# KiCad board APA102_Matrix.kicad_pcb (continued)
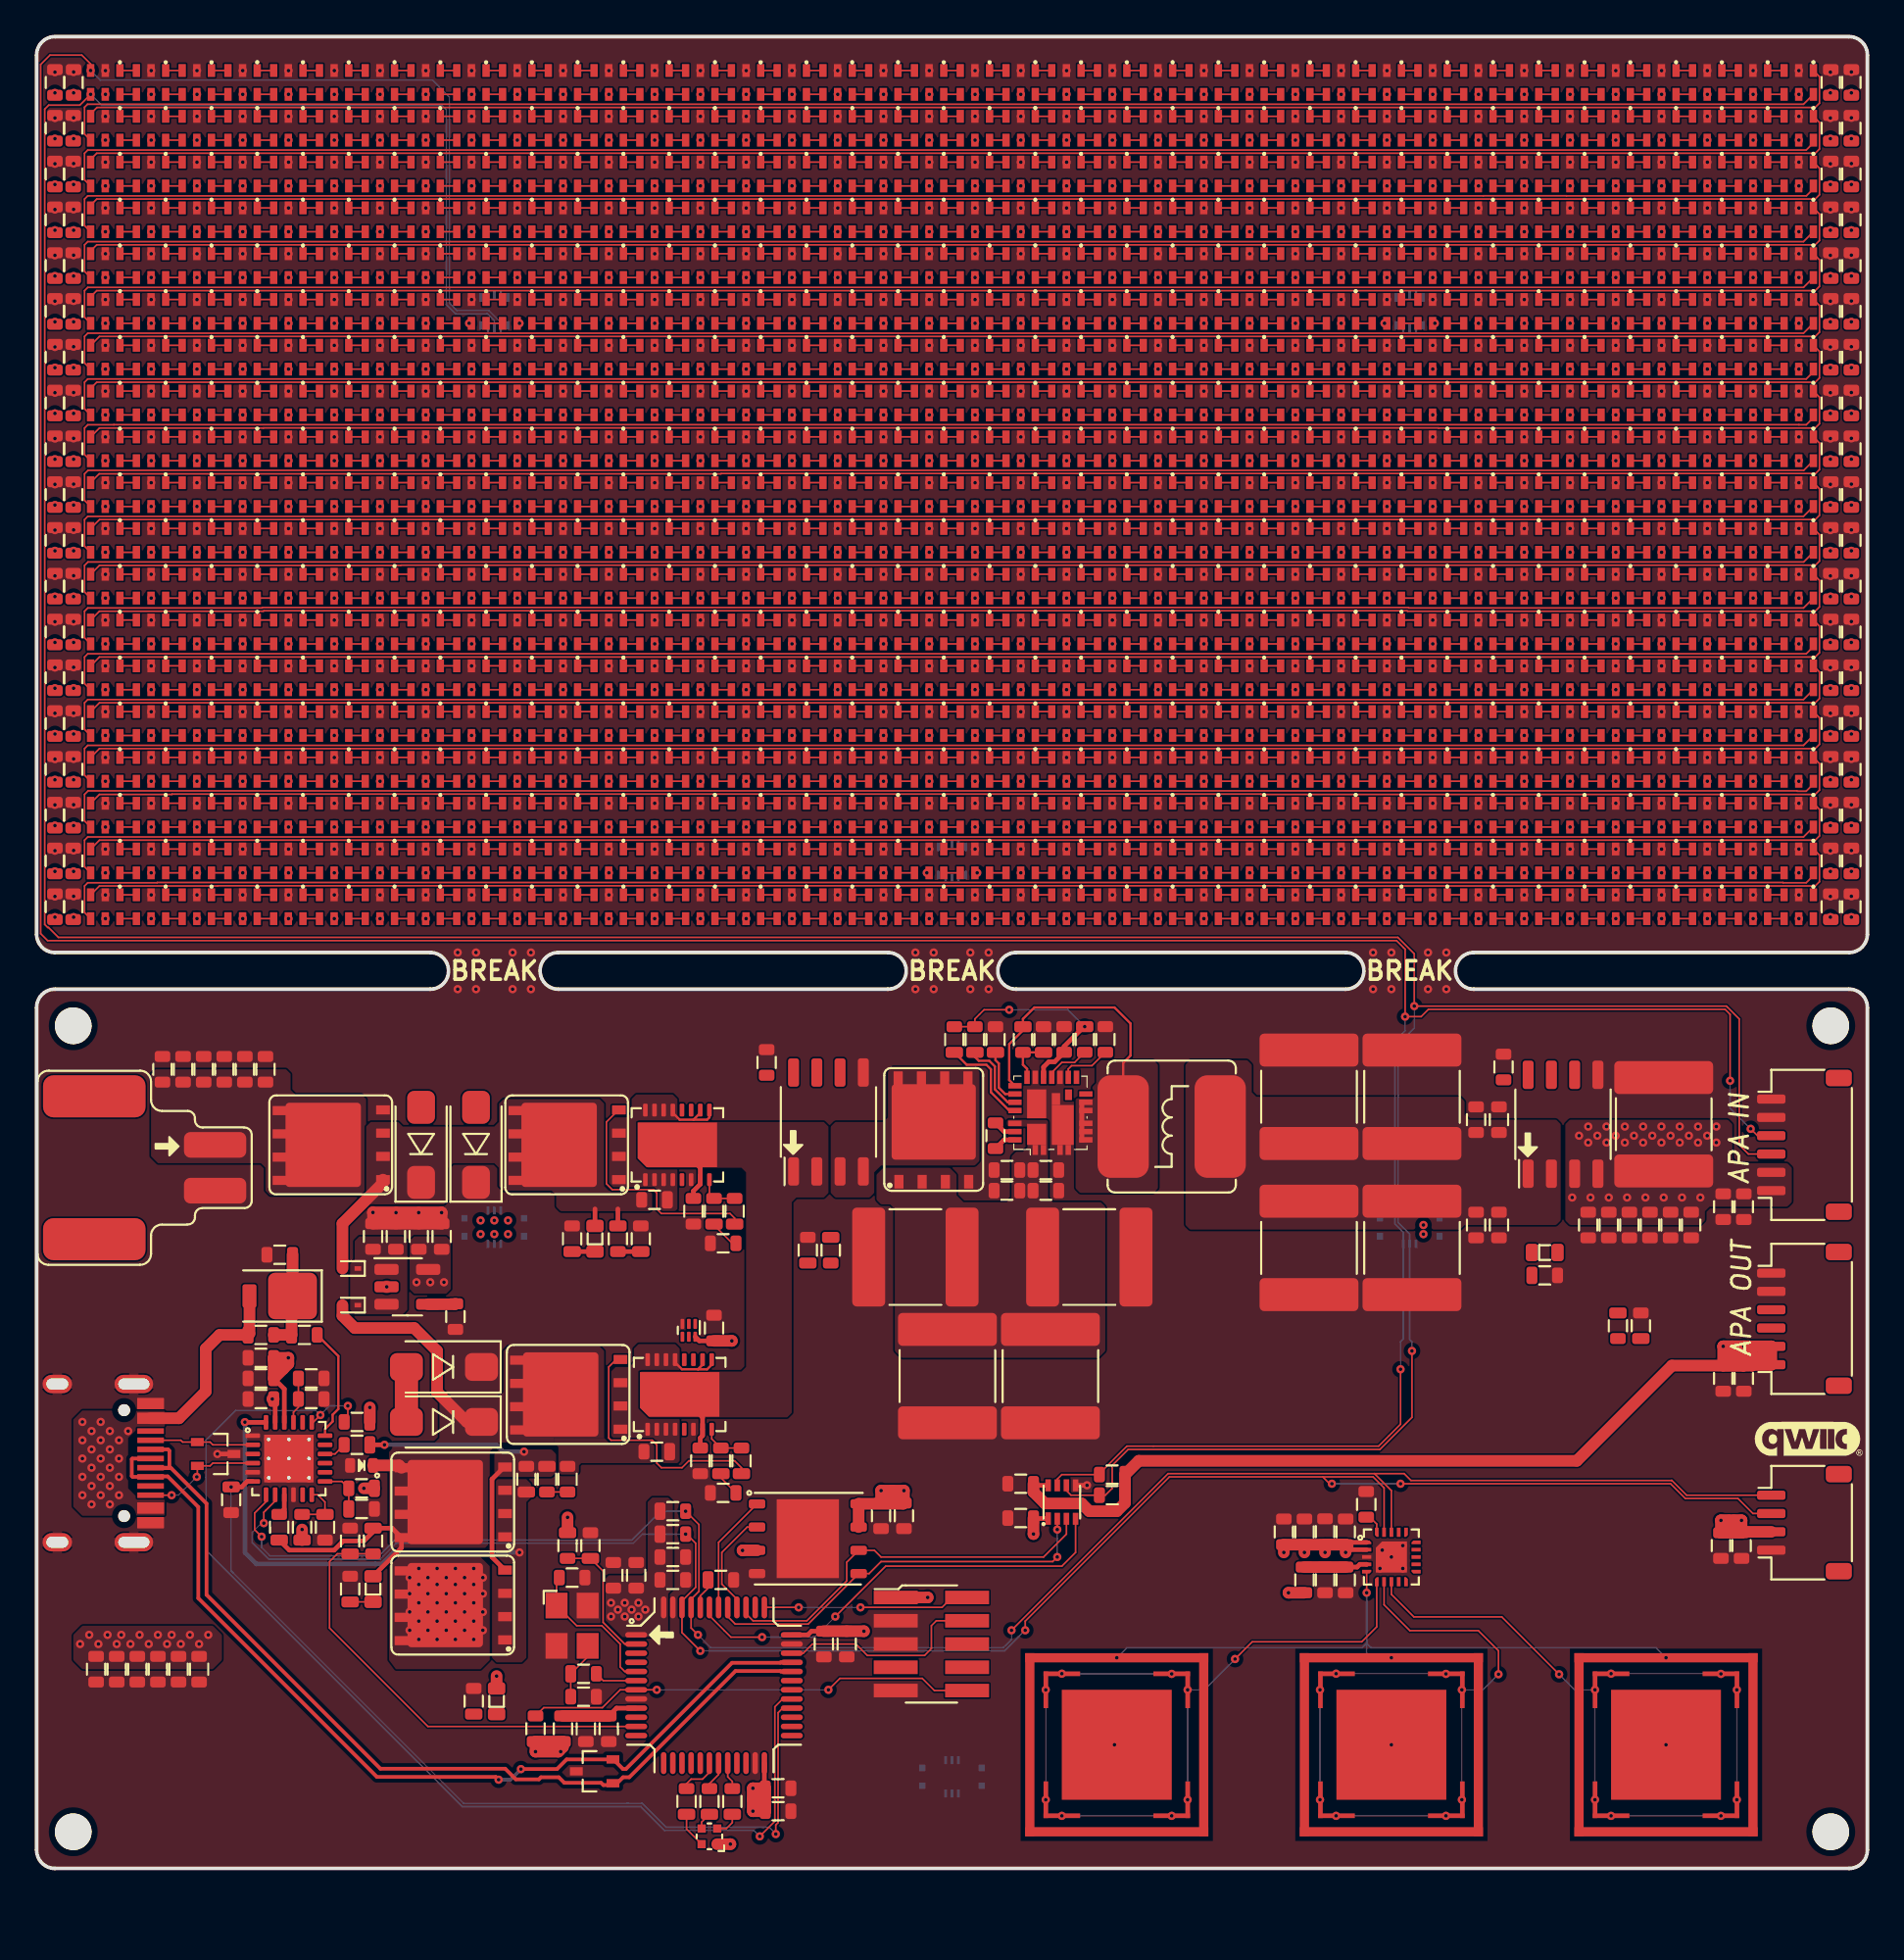
[diagram p0: board, top side]
## Routing (per net, layer and track width the routed paths; a pad name or vN(x,y) marks a point on that pad's centre or on a via; arc(x,y) is an arc through that point) (continued)
  F_PWR_SIGNAL.Cu w0.089: D126.1 D127.3
Net-(D126-Pad6): length 0.9
  F_PWR_SIGNAL.Cu w0.089: D126.6 D127.4
Net-(D127-Pad1): length 0.9
  F_PWR_SIGNAL.Cu w0.089: D127.1 D128.3
Net-(D127-Pad6): length 0.9
  F_PWR_SIGNAL.Cu w0.089: D127.6 D128.4
Net-(D128-Pad1): length 0.9
  F_PWR_SIGNAL.Cu w0.089: D128.1 D129.3
Net-(D128-Pad6): length 0.9
  F_PWR_SIGNAL.Cu w0.089: D128.6 D129.4
Net-(D129-Pad1): length 0.9
  F_PWR_SIGNAL.Cu w0.089: D129.1 D130.3
Net-(D129-Pad6): length 0.9
  F_PWR_SIGNAL.Cu w0.089: D129.6 D130.4
Net-(D130-Pad1): length 0.9
  F_PWR_SIGNAL.Cu w0.089: D130.1 D131.3
Net-(D130-Pad6): length 0.9
  F_PWR_SIGNAL.Cu w0.089: D130.6 D131.4
Net-(D131-Pad1): length 0.9
  F_PWR_SIGNAL.Cu w0.089: D131.1 D132.3
Net-(D131-Pad6): length 0.9
  F_PWR_SIGNAL.Cu w0.089: D131.6 D132.4
Net-(D132-Pad1): length 0.9
  F_PWR_SIGNAL.Cu w0.089: D132.1 D133.3
Net-(D132-Pad6): length 0.9
  F_PWR_SIGNAL.Cu w0.089: D132.6 D133.4
Net-(D133-Pad1): length 0.9
  F_PWR_SIGNAL.Cu w0.089: D133.1 D134.3
Net-(D133-Pad6): length 0.9
  F_PWR_SIGNAL.Cu w0.089: D133.6 D134.4
Net-(D134-Pad1): length 0.9
  F_PWR_SIGNAL.Cu w0.089: D134.1 D135.3
Net-(D134-Pad6): length 0.9
  F_PWR_SIGNAL.Cu w0.089: D134.6 D135.4
Net-(D135-Pad1): length 0.9
  F_PWR_SIGNAL.Cu w0.089: D135.1 D136.3
Net-(D135-Pad6): length 0.9
  F_PWR_SIGNAL.Cu w0.089: D135.6 D136.4
Net-(D136-Pad1): length 0.9
  F_PWR_SIGNAL.Cu w0.089: D136.1 D137.3
Net-(D136-Pad6): length 0.9
  F_PWR_SIGNAL.Cu w0.089: D136.6 D137.4
Net-(D137-Pad1): length 0.9
  F_PWR_SIGNAL.Cu w0.089: D137.1 D138.3
Net-(D137-Pad6): length 0.9
  F_PWR_SIGNAL.Cu w0.089: D137.6 D138.4
Net-(D138-Pad1): length 0.9
  F_PWR_SIGNAL.Cu w0.089: D138.1 D139.3
Net-(D138-Pad6): length 0.9
  F_PWR_SIGNAL.Cu w0.089: D138.6 D139.4
Net-(D139-Pad1): length 0.9
  F_PWR_SIGNAL.Cu w0.089: D139.1 D140.3
Net-(D139-Pad6): length 0.9
  F_PWR_SIGNAL.Cu w0.089: D139.6 D140.4
Net-(D140-Pad1): length 0.9
  F_PWR_SIGNAL.Cu w0.089: D140.1 D141.3
Net-(D140-Pad6): length 0.9
  F_PWR_SIGNAL.Cu w0.089: D140.6 D141.4
Net-(D141-Pad1): length 0.9
  F_PWR_SIGNAL.Cu w0.089: D141.1 D142.3
Net-(D141-Pad6): length 0.9
  F_PWR_SIGNAL.Cu w0.089: D141.6 D142.4
Net-(D142-Pad1): length 0.9
  F_PWR_SIGNAL.Cu w0.089: D142.1 D143.3
Net-(D142-Pad6): length 0.9
  F_PWR_SIGNAL.Cu w0.089: D142.6 D143.4
Net-(D143-Pad1): length 0.9
  F_PWR_SIGNAL.Cu w0.089: D143.1 D144.3
Net-(D143-Pad6): length 0.9
  F_PWR_SIGNAL.Cu w0.089: D143.6 D144.4
Net-(D144-Pad1): length 0.9
  F_PWR_SIGNAL.Cu w0.089: D144.1 D145.3
Net-(D144-Pad6): length 0.9
  F_PWR_SIGNAL.Cu w0.089: D144.6 D145.4
Net-(D145-Pad1): length 0.9
  F_PWR_SIGNAL.Cu w0.089: D145.1 D146.3
Net-(D145-Pad6): length 0.9
  F_PWR_SIGNAL.Cu w0.089: D145.6 D146.4
Net-(D146-Pad1): length 0.9
  F_PWR_SIGNAL.Cu w0.089: D146.1 D147.3
Net-(D146-Pad6): length 0.9
  F_PWR_SIGNAL.Cu w0.089: D146.6 D147.4
Net-(D147-Pad1): length 0.9
  F_PWR_SIGNAL.Cu w0.089: D147.1 D148.3
Net-(D147-Pad6): length 0.9
  F_PWR_SIGNAL.Cu w0.089: D147.6 D148.4
Net-(D148-Pad1): length 0.9
  F_PWR_SIGNAL.Cu w0.089: D148.1 D149.3
Net-(D148-Pad6): length 0.9
  F_PWR_SIGNAL.Cu w0.089: D148.6 D149.4
Net-(D149-Pad1): length 0.9
  F_PWR_SIGNAL.Cu w0.089: D149.1 D150.3
Net-(D149-Pad6): length 0.9
  F_PWR_SIGNAL.Cu w0.089: D149.6 D150.4
Net-(D150-Pad1): length 0.9
  F_PWR_SIGNAL.Cu w0.089: D150.1 D151.3
Net-(D150-Pad6): length 0.9
  F_PWR_SIGNAL.Cu w0.089: D150.6 D151.4
Net-(D151-Pad1): length 0.9
  F_PWR_SIGNAL.Cu w0.089: D151.1 D152.3
Net-(D151-Pad6): length 0.9
  F_PWR_SIGNAL.Cu w0.089: D151.6 D152.4
Net-(D153-Pad1): length 0.9
  F_PWR_SIGNAL.Cu w0.089: D153.1 D154.3
Net-(D153-Pad6): length 0.9
  F_PWR_SIGNAL.Cu w0.089: D153.6 D154.4
Net-(D154-Pad1): length 0.9
  F_PWR_SIGNAL.Cu w0.089: D154.1 D155.3
Net-(D154-Pad6): length 0.9
  F_PWR_SIGNAL.Cu w0.089: D154.6 D155.4
Net-(D155-Pad1): length 0.9
  F_PWR_SIGNAL.Cu w0.089: D155.1 D156.3
Net-(D155-Pad6): length 0.9
  F_PWR_SIGNAL.Cu w0.089: D155.6 D156.4
Net-(D156-Pad1): length 0.9
  F_PWR_SIGNAL.Cu w0.089: D156.1 D157.3
Net-(D156-Pad6): length 0.9
  F_PWR_SIGNAL.Cu w0.089: D156.6 D157.4
Net-(D157-Pad1): length 0.9
  F_PWR_SIGNAL.Cu w0.089: D157.1 D158.3
Net-(D157-Pad6): length 0.9
  F_PWR_SIGNAL.Cu w0.089: D157.6 D158.4
Net-(D158-Pad1): length 0.9
  F_PWR_SIGNAL.Cu w0.089: D158.1 D159.3
Net-(D158-Pad6): length 0.9
  F_PWR_SIGNAL.Cu w0.089: D158.6 D159.4
Net-(D159-Pad1): length 0.9
  F_PWR_SIGNAL.Cu w0.089: D159.1 D160.3
Net-(D159-Pad6): length 0.9
  F_PWR_SIGNAL.Cu w0.089: D159.6 D160.4
Net-(D160-Pad1): length 0.9
  F_PWR_SIGNAL.Cu w0.089: D160.1 D161.3
Net-(D160-Pad6): length 0.9
  F_PWR_SIGNAL.Cu w0.089: D160.6 D161.4
Net-(D161-Pad1): length 0.9
  F_PWR_SIGNAL.Cu w0.089: D161.1 D162.3
Net-(D161-Pad6): length 0.9
  F_PWR_SIGNAL.Cu w0.089: D161.6 D162.4
Net-(D162-Pad1): length 0.9
  F_PWR_SIGNAL.Cu w0.089: D162.1 D163.3
Net-(D162-Pad6): length 0.9
  F_PWR_SIGNAL.Cu w0.089: D162.6 D163.4
Net-(D163-Pad1): length 0.9
  F_PWR_SIGNAL.Cu w0.089: D163.1 D164.3
Net-(D163-Pad6): length 0.9
  F_PWR_SIGNAL.Cu w0.089: D163.6 D164.4
Net-(D164-Pad1): length 0.9
  F_PWR_SIGNAL.Cu w0.089: D164.1 D165.3
Net-(D164-Pad6): length 0.9
  F_PWR_SIGNAL.Cu w0.089: D164.6 D165.4
Net-(D165-Pad1): length 0.9
  F_PWR_SIGNAL.Cu w0.089: D165.1 D166.3
Net-(D165-Pad6): length 0.9
  F_PWR_SIGNAL.Cu w0.089: D165.6 D166.4
Net-(D166-Pad1): length 0.9
  F_PWR_SIGNAL.Cu w0.089: D166.1 D167.3
Net-(D166-Pad6): length 0.9
  F_PWR_SIGNAL.Cu w0.089: D166.6 D167.4
Net-(D167-Pad1): length 0.9
  F_PWR_SIGNAL.Cu w0.089: D167.1 D168.3
Net-(D167-Pad6): length 0.9
  F_PWR_SIGNAL.Cu w0.089: D167.6 D168.4
Net-(D168-Pad1): length 0.9
  F_PWR_SIGNAL.Cu w0.089: D168.1 D169.3
Net-(D168-Pad6): length 0.9
  F_PWR_SIGNAL.Cu w0.089: D168.6 D169.4
Net-(D169-Pad1): length 0.9
  F_PWR_SIGNAL.Cu w0.089: D169.1 D170.3
Net-(D169-Pad6): length 0.9
  F_PWR_SIGNAL.Cu w0.089: D169.6 D170.4
Net-(D170-Pad1): length 0.9
  F_PWR_SIGNAL.Cu w0.089: D170.1 D171.3
Net-(D170-Pad6): length 0.9
  F_PWR_SIGNAL.Cu w0.089: D170.6 D171.4
Net-(D171-Pad1): length 0.9
  F_PWR_SIGNAL.Cu w0.089: D171.1 D172.3
Net-(D171-Pad6): length 0.9
  F_PWR_SIGNAL.Cu w0.089: D171.6 D172.4
Net-(D172-Pad1): length 0.9
  F_PWR_SIGNAL.Cu w0.089: D172.1 D173.3
Net-(D172-Pad6): length 0.9
  F_PWR_SIGNAL.Cu w0.089: D172.6 D173.4
Net-(D173-Pad1): length 0.9
  F_PWR_SIGNAL.Cu w0.089: D173.1 D174.3
Net-(D173-Pad6): length 0.9
  F_PWR_SIGNAL.Cu w0.089: D173.6 D174.4
Net-(D174-Pad1): length 0.9
  F_PWR_SIGNAL.Cu w0.089: D174.1 D175.3
Net-(D174-Pad6): length 0.9
  F_PWR_SIGNAL.Cu w0.089: D174.6 D175.4
Net-(D175-Pad1): length 0.9
  F_PWR_SIGNAL.Cu w0.089: D175.1 D176.3
Net-(D175-Pad6): length 0.9
  F_PWR_SIGNAL.Cu w0.089: D175.6 D176.4
Net-(D176-Pad1): length 0.9
  F_PWR_SIGNAL.Cu w0.089: D176.1 D177.3
Net-(D176-Pad6): length 0.9
  F_PWR_SIGNAL.Cu w0.089: D176.6 D177.4
Net-(D177-Pad1): length 0.9
  F_PWR_SIGNAL.Cu w0.089: D177.1 D178.3
Net-(D177-Pad6): length 0.9
  F_PWR_SIGNAL.Cu w0.089: D177.6 D178.4
Net-(D178-Pad1): length 0.9
  F_PWR_SIGNAL.Cu w0.089: D178.1 D179.3
Net-(D178-Pad6): length 0.9
  F_PWR_SIGNAL.Cu w0.089: D178.6 D179.4
Net-(D179-Pad1): length 0.9
  F_PWR_SIGNAL.Cu w0.089: D179.1 D180.3
Net-(D179-Pad6): length 0.9
  F_PWR_SIGNAL.Cu w0.089: D179.6 D180.4
Net-(D180-Pad1): length 0.9
  F_PWR_SIGNAL.Cu w0.089: D180.1 D181.3
Net-(D180-Pad6): length 0.9
  F_PWR_SIGNAL.Cu w0.089: D180.6 D181.4
Net-(D181-Pad1): length 0.9
  F_PWR_SIGNAL.Cu w0.089: D181.1 D182.3
Net-(D181-Pad6): length 0.9
  F_PWR_SIGNAL.Cu w0.089: D181.6 D182.4
Net-(D182-Pad1): length 0.9
  F_PWR_SIGNAL.Cu w0.089: D182.1 D183.3
Net-(D182-Pad6): length 0.9
  F_PWR_SIGNAL.Cu w0.089: D182.6 D183.4
Net-(D183-Pad1): length 0.9
  F_PWR_SIGNAL.Cu w0.089: D183.1 D184.3
Net-(D183-Pad6): length 0.9
  F_PWR_SIGNAL.Cu w0.089: D183.6 D184.4
Net-(D184-Pad1): length 0.9
  F_PWR_SIGNAL.Cu w0.089: D184.1 D185.3
Net-(D184-Pad6): length 0.9
  F_PWR_SIGNAL.Cu w0.089: D184.6 D185.4
Net-(D185-Pad1): length 0.9
  F_PWR_SIGNAL.Cu w0.089: D185.1 D186.3
Net-(D185-Pad6): length 0.9
  F_PWR_SIGNAL.Cu w0.089: D185.6 D186.4
Net-(D186-Pad1): length 0.9
  F_PWR_SIGNAL.Cu w0.089: D186.1 D187.3
Net-(D186-Pad6): length 0.9
  F_PWR_SIGNAL.Cu w0.089: D186.6 D187.4
Net-(D187-Pad1): length 0.9
  F_PWR_SIGNAL.Cu w0.089: D187.1 D188.3
Net-(D187-Pad6): length 0.9
  F_PWR_SIGNAL.Cu w0.089: D187.6 D188.4
Net-(D188-Pad1): length 0.9
  F_PWR_SIGNAL.Cu w0.089: D188.1 D189.3
Net-(D188-Pad6): length 0.9
  F_PWR_SIGNAL.Cu w0.089: D188.6 D189.4
Net-(D189-Pad1): length 0.9
  F_PWR_SIGNAL.Cu w0.089: D189.1 D190.3
Net-(D189-Pad6): length 0.9
  F_PWR_SIGNAL.Cu w0.089: D189.6 D190.4
Net-(D191-Pad1): length 0.9
  F_PWR_SIGNAL.Cu w0.089: D191.1 D192.3
Net-(D191-Pad6): length 0.9
  F_PWR_SIGNAL.Cu w0.089: D191.6 D192.4
Net-(D192-Pad1): length 0.9
  F_PWR_SIGNAL.Cu w0.089: D192.1 D193.3
Net-(D192-Pad6): length 0.9
  F_PWR_SIGNAL.Cu w0.089: D192.6 D193.4
Net-(D193-Pad1): length 0.9
  F_PWR_SIGNAL.Cu w0.089: D193.1 D194.3
Net-(D193-Pad6): length 0.9
  F_PWR_SIGNAL.Cu w0.089: D193.6 D194.4
Net-(D194-Pad1): length 0.9
  F_PWR_SIGNAL.Cu w0.089: D194.1 D195.3
Net-(D194-Pad6): length 0.9
  F_PWR_SIGNAL.Cu w0.089: D194.6 D195.4
Net-(D195-Pad1): length 0.9
  F_PWR_SIGNAL.Cu w0.089: D195.1 D196.3
Net-(D195-Pad6): length 0.9
  F_PWR_SIGNAL.Cu w0.089: D195.6 D196.4
Net-(D196-Pad1): length 0.9
  F_PWR_SIGNAL.Cu w0.089: D196.1 D197.3
Net-(D196-Pad6): length 0.9
  F_PWR_SIGNAL.Cu w0.089: D196.6 D197.4
Net-(D197-Pad1): length 0.9
  F_PWR_SIGNAL.Cu w0.089: D197.1 D198.3
Net-(D197-Pad6): length 0.9
  F_PWR_SIGNAL.Cu w0.089: D197.6 D198.4
Net-(D198-Pad1): length 0.9
  F_PWR_SIGNAL.Cu w0.089: D198.1 D199.3
Net-(D198-Pad6): length 0.9
  F_PWR_SIGNAL.Cu w0.089: D198.6 D199.4
Net-(D199-Pad1): length 0.9
  F_PWR_SIGNAL.Cu w0.089: D199.1 D200.3
Net-(D199-Pad6): length 0.9
  F_PWR_SIGNAL.Cu w0.089: D199.6 D200.4
Net-(D200-Pad1): length 0.9
  F_PWR_SIGNAL.Cu w0.089: D200.1 D201.3
Net-(D200-Pad6): length 0.9
  F_PWR_SIGNAL.Cu w0.089: D200.6 D201.4
Net-(D201-Pad1): length 0.9
  F_PWR_SIGNAL.Cu w0.089: D201.1 D202.3
Net-(D201-Pad6): length 0.9
  F_PWR_SIGNAL.Cu w0.089: D201.6 D202.4
Net-(D202-Pad1): length 0.9
  F_PWR_SIGNAL.Cu w0.089: D202.1 D203.3
Net-(D202-Pad6): length 0.9
  F_PWR_SIGNAL.Cu w0.089: D202.6 D203.4
Net-(D203-Pad1): length 0.9
  F_PWR_SIGNAL.Cu w0.089: D203.1 D204.3
Net-(D203-Pad6): length 0.9
  F_PWR_SIGNAL.Cu w0.089: D203.6 D204.4
Net-(D204-Pad1): length 0.9
  F_PWR_SIGNAL.Cu w0.089: D204.1 D205.3
Net-(D204-Pad6): length 0.9
  F_PWR_SIGNAL.Cu w0.089: D204.6 D205.4
Net-(D205-Pad1): length 0.9
  F_PWR_SIGNAL.Cu w0.089: D205.1 D206.3
Net-(D205-Pad6): length 0.9
  F_PWR_SIGNAL.Cu w0.089: D205.6 D206.4
Net-(D206-Pad1): length 0.9
  F_PWR_SIGNAL.Cu w0.089: D206.1 D207.3
Net-(D206-Pad6): length 0.9
  F_PWR_SIGNAL.Cu w0.089: D206.6 D207.4
Net-(D207-Pad1): length 0.9
  F_PWR_SIGNAL.Cu w0.089: D207.1 D208.3
Net-(D207-Pad6): length 0.9
  F_PWR_SIGNAL.Cu w0.089: D207.6 D208.4
Net-(D208-Pad1): length 0.9
  F_PWR_SIGNAL.Cu w0.089: D208.1 D209.3
Net-(D208-Pad6): length 0.9
  F_PWR_SIGNAL.Cu w0.089: D208.6 D209.4
Net-(D209-Pad1): length 0.9
  F_PWR_SIGNAL.Cu w0.089: D209.1 D210.3
Net-(D209-Pad6): length 0.9
  F_PWR_SIGNAL.Cu w0.089: D209.6 D210.4
Net-(D210-Pad1): length 0.9
  F_PWR_SIGNAL.Cu w0.089: D210.1 D211.3
Net-(D210-Pad6): length 0.9
  F_PWR_SIGNAL.Cu w0.089: D210.6 D211.4
Net-(D211-Pad1): length 0.9
  F_PWR_SIGNAL.Cu w0.089: D211.1 D212.3
Net-(D211-Pad6): length 0.9
  F_PWR_SIGNAL.Cu w0.089: D211.6 D212.4
Net-(D212-Pad1): length 0.9
  F_PWR_SIGNAL.Cu w0.089: D212.1 D213.3
Net-(D212-Pad6): length 0.9
  F_PWR_SIGNAL.Cu w0.089: D212.6 D213.4
Net-(D213-Pad1): length 0.9
  F_PWR_SIGNAL.Cu w0.089: D213.1 D214.3
Net-(D213-Pad6): length 0.9
  F_PWR_SIGNAL.Cu w0.089: D213.6 D214.4
Net-(D214-Pad1): length 0.9
  F_PWR_SIGNAL.Cu w0.089: D214.1 D215.3
Net-(D214-Pad6): length 0.9
  F_PWR_SIGNAL.Cu w0.089: D214.6 D215.4
Net-(D215-Pad1): length 0.9
  F_PWR_SIGNAL.Cu w0.089: D215.1 D216.3
Net-(D215-Pad6): length 0.9
  F_PWR_SIGNAL.Cu w0.089: D215.6 D216.4
Net-(D216-Pad1): length 0.9
  F_PWR_SIGNAL.Cu w0.089: D216.1 D217.3
Net-(D216-Pad6): length 0.9
  F_PWR_SIGNAL.Cu w0.089: D216.6 D217.4
Net-(D217-Pad1): length 0.9
  F_PWR_SIGNAL.Cu w0.089: D217.1 D218.3
Net-(D217-Pad6): length 0.9
  F_PWR_SIGNAL.Cu w0.089: D217.6 D218.4
Net-(D218-Pad1): length 0.9
  F_PWR_SIGNAL.Cu w0.089: D218.1 D219.3
Net-(D218-Pad6): length 0.9
  F_PWR_SIGNAL.Cu w0.089: D218.6 D219.4
Net-(D219-Pad1): length 0.9
  F_PWR_SIGNAL.Cu w0.089: D219.1 D220.3
Net-(D219-Pad6): length 0.9
  F_PWR_SIGNAL.Cu w0.089: D219.6 D220.4
Net-(D220-Pad1): length 0.9
  F_PWR_SIGNAL.Cu w0.089: D220.1 D221.3
Net-(D220-Pad6): length 0.9
  F_PWR_SIGNAL.Cu w0.089: D220.6 D221.4
Net-(D221-Pad1): length 0.9
  F_PWR_SIGNAL.Cu w0.089: D221.1 D222.3
Net-(D221-Pad6): length 0.9
  F_PWR_SIGNAL.Cu w0.089: D221.6 D222.4
Net-(D222-Pad1): length 0.9
  F_PWR_SIGNAL.Cu w0.089: D222.1 D223.3
Net-(D222-Pad6): length 0.9
  F_PWR_SIGNAL.Cu w0.089: D222.6 D223.4
Net-(D223-Pad1): length 0.9
  F_PWR_SIGNAL.Cu w0.089: D223.1 D224.3
Net-(D223-Pad6): length 0.9
  F_PWR_SIGNAL.Cu w0.089: D223.6 D224.4
Net-(D224-Pad1): length 0.9
  F_PWR_SIGNAL.Cu w0.089: D224.1 D225.3
Net-(D224-Pad6): length 0.9
  F_PWR_SIGNAL.Cu w0.089: D224.6 D225.4
Net-(D225-Pad1): length 0.9
  F_PWR_SIGNAL.Cu w0.089: D225.1 D226.3
Net-(D225-Pad6): length 0.9
  F_PWR_SIGNAL.Cu w0.089: D225.6 D226.4
Net-(D226-Pad1): length 0.9
  F_PWR_SIGNAL.Cu w0.089: D226.1 D227.3
Net-(D226-Pad6): length 0.9
  F_PWR_SIGNAL.Cu w0.089: D226.6 D227.4
Net-(D227-Pad1): length 0.9
  F_PWR_SIGNAL.Cu w0.089: D227.1 D228.3
Net-(D227-Pad6): length 0.9
  F_PWR_SIGNAL.Cu w0.089: D227.6 D228.4
Net-(D229-Pad1): length 0.9
  F_PWR_SIGNAL.Cu w0.089: D229.1 D230.3
Net-(D229-Pad6): length 0.9
  F_PWR_SIGNAL.Cu w0.089: D229.6 D230.4
Net-(D230-Pad1): length 0.9
  F_PWR_SIGNAL.Cu w0.089: D230.1 D231.3
Net-(D230-Pad6): length 0.9
  F_PWR_SIGNAL.Cu w0.089: D230.6 D231.4
Net-(D231-Pad1): length 0.9
  F_PWR_SIGNAL.Cu w0.089: D231.1 D232.3
Net-(D231-Pad6): length 0.9
  F_PWR_SIGNAL.Cu w0.089: D231.6 D232.4
Net-(D232-Pad1): length 0.9
  F_PWR_SIGNAL.Cu w0.089: D232.1 D233.3
Net-(D232-Pad6): length 0.9
  F_PWR_SIGNAL.Cu w0.089: D232.6 D233.4
Net-(D233-Pad1): length 0.9
  F_PWR_SIGNAL.Cu w0.089: D233.1 D234.3
Net-(D233-Pad6): length 0.9
  F_PWR_SIGNAL.Cu w0.089: D233.6 D234.4
Net-(D234-Pad1): length 0.9
  F_PWR_SIGNAL.Cu w0.089: D234.1 D235.3
Net-(D234-Pad6): length 0.9
  F_PWR_SIGNAL.Cu w0.089: D234.6 D235.4
Net-(D235-Pad1): length 0.9
  F_PWR_SIGNAL.Cu w0.089: D235.1 D236.3
Net-(D235-Pad6): length 0.9
  F_PWR_SIGNAL.Cu w0.089: D235.6 D236.4
Net-(D236-Pad1): length 0.9
  F_PWR_SIGNAL.Cu w0.089: D236.1 D237.3
Net-(D236-Pad6): length 0.9
  F_PWR_SIGNAL.Cu w0.089: D236.6 D237.4
Net-(D237-Pad1): length 0.9
  F_PWR_SIGNAL.Cu w0.089: D237.1 D238.3
Net-(D237-Pad6): length 0.9
  F_PWR_SIGNAL.Cu w0.089: D237.6 D238.4
Net-(D238-Pad1): length 0.9
  F_PWR_SIGNAL.Cu w0.089: D238.1 D239.3
Net-(D238-Pad6): length 0.9
  F_PWR_SIGNAL.Cu w0.089: D238.6 D239.4
Net-(D239-Pad1): length 0.9
  F_PWR_SIGNAL.Cu w0.089: D239.1 D240.3
Net-(D239-Pad6): length 0.9
  F_PWR_SIGNAL.Cu w0.089: D239.6 D240.4
Net-(D240-Pad1): length 0.9
  F_PWR_SIGNAL.Cu w0.089: D240.1 D241.3
Net-(D240-Pad6): length 0.9
  F_PWR_SIGNAL.Cu w0.089: D240.6 D241.4
Net-(D241-Pad1): length 0.9
  F_PWR_SIGNAL.Cu w0.089: D241.1 D242.3
Net-(D241-Pad6): length 0.9
  F_PWR_SIGNAL.Cu w0.089: D241.6 D242.4
Net-(D242-Pad1): length 0.9
  F_PWR_SIGNAL.Cu w0.089: D242.1 D243.3
Net-(D242-Pad6): length 0.9
  F_PWR_SIGNAL.Cu w0.089: D242.6 D243.4
Net-(D243-Pad1): length 0.9
  F_PWR_SIGNAL.Cu w0.089: D243.1 D244.3
Net-(D243-Pad6): length 0.9
  F_PWR_SIGNAL.Cu w0.089: D243.6 D244.4
Net-(D244-Pad1): length 0.9
  F_PWR_SIGNAL.Cu w0.089: D244.1 D245.3
Net-(D244-Pad6): length 0.9
  F_PWR_SIGNAL.Cu w0.089: D244.6 D245.4
Net-(D245-Pad1): length 0.9
  F_PWR_SIGNAL.Cu w0.089: D245.1 D246.3
Net-(D245-Pad6): length 0.9
  F_PWR_SIGNAL.Cu w0.089: D245.6 D246.4
Net-(D246-Pad1): length 0.9
  F_PWR_SIGNAL.Cu w0.089: D246.1 D247.3
Net-(D246-Pad6): length 0.9
  F_PWR_SIGNAL.Cu w0.089: D246.6 D247.4
Net-(D247-Pad1): length 0.9
  F_PWR_SIGNAL.Cu w0.089: D247.1 D248.3
Net-(D247-Pad6): length 0.9
  F_PWR_SIGNAL.Cu w0.089: D247.6 D248.4
Net-(D248-Pad1): length 0.9
  F_PWR_SIGNAL.Cu w0.089: D248.1 D249.3
Net-(D248-Pad6): length 0.9
  F_PWR_SIGNAL.Cu w0.089: D248.6 D249.4
Net-(D249-Pad1): length 0.9
  F_PWR_SIGNAL.Cu w0.089: D249.1 D250.3
Net-(D249-Pad6): length 0.9
  F_PWR_SIGNAL.Cu w0.089: D249.6 D250.4
Net-(D250-Pad1): length 0.9
  F_PWR_SIGNAL.Cu w0.089: D250.1 D251.3
Net-(D250-Pad6): length 0.9
  F_PWR_SIGNAL.Cu w0.089: D250.6 D251.4
Net-(D251-Pad1): length 0.9
  F_PWR_SIGNAL.Cu w0.089: D251.1 D252.3
Net-(D251-Pad6): length 0.9
  F_PWR_SIGNAL.Cu w0.089: D251.6 D252.4
Net-(D252-Pad1): length 0.9
  F_PWR_SIGNAL.Cu w0.089: D252.1 D253.3
Net-(D252-Pad6): length 0.9
  F_PWR_SIGNAL.Cu w0.089: D252.6 D253.4
Net-(D253-Pad1): length 0.9
  F_PWR_SIGNAL.Cu w0.089: D253.1 D254.3
Net-(D253-Pad6): length 0.9
  F_PWR_SIGNAL.Cu w0.089: D253.6 D254.4
Net-(D254-Pad1): length 0.9
  F_PWR_SIGNAL.Cu w0.089: D254.1 D255.3
Net-(D254-Pad6): length 0.9
  F_PWR_SIGNAL.Cu w0.089: D254.6 D255.4
Net-(D255-Pad1): length 0.9
  F_PWR_SIGNAL.Cu w0.089: D255.1 D256.3
Net-(D255-Pad6): length 0.9
  F_PWR_SIGNAL.Cu w0.089: D255.6 D256.4
Net-(D256-Pad1): length 0.9
  F_PWR_SIGNAL.Cu w0.089: D256.1 D257.3
Net-(D256-Pad6): length 0.9
  F_PWR_SIGNAL.Cu w0.089: D256.6 D257.4
Net-(D257-Pad1): length 0.9
  F_PWR_SIGNAL.Cu w0.089: D257.1 D258.3
Net-(D257-Pad6): length 0.9
  F_PWR_SIGNAL.Cu w0.089: D257.6 D258.4
Net-(D258-Pad1): length 0.9
  F_PWR_SIGNAL.Cu w0.089: D258.1 D259.3
Net-(D258-Pad6): length 0.9
  F_PWR_SIGNAL.Cu w0.089: D258.6 D259.4
Net-(D259-Pad1): length 0.9
  F_PWR_SIGNAL.Cu w0.089: D259.1 D260.3
Net-(D259-Pad6): length 0.9
  F_PWR_SIGNAL.Cu w0.089: D259.6 D260.4
Net-(D260-Pad1): length 0.9
  F_PWR_SIGNAL.Cu w0.089: D260.1 D261.3
Net-(D260-Pad6): length 0.9
  F_PWR_SIGNAL.Cu w0.089: D260.6 D261.4
Net-(D261-Pad1): length 0.9
  F_PWR_SIGNAL.Cu w0.089: D261.1 D262.3
Net-(D261-Pad6): length 0.9
  F_PWR_SIGNAL.Cu w0.089: D261.6 D262.4
Net-(D262-Pad1): length 0.9
  F_PWR_SIGNAL.Cu w0.089: D262.1 D263.3
Net-(D262-Pad6): length 0.9
  F_PWR_SIGNAL.Cu w0.089: D262.6 D263.4
Net-(D263-Pad1): length 0.9
  F_PWR_SIGNAL.Cu w0.089: D263.1 D264.3
Net-(D263-Pad6): length 0.9
  F_PWR_SIGNAL.Cu w0.089: D263.6 D264.4
Net-(D264-Pad1): length 0.9
  F_PWR_SIGNAL.Cu w0.089: D264.1 D265.3
Net-(D264-Pad6): length 0.9
  F_PWR_SIGNAL.Cu w0.089: D264.6 D265.4
Net-(D265-Pad1): length 0.9
  F_PWR_SIGNAL.Cu w0.089: D265.1 D266.3
Net-(D265-Pad6): length 0.9
  F_PWR_SIGNAL.Cu w0.089: D265.6 D266.4
Net-(D267-Pad1): length 0.9
  F_PWR_SIGNAL.Cu w0.089: D267.1 D268.3
Net-(D267-Pad6): length 0.9
  F_PWR_SIGNAL.Cu w0.089: D267.6 D268.4
Net-(D268-Pad1): length 0.9
  F_PWR_SIGNAL.Cu w0.089: D268.1 D269.3
Net-(D268-Pad6): length 0.9
  F_PWR_SIGNAL.Cu w0.089: D268.6 D269.4
Net-(D269-Pad1): length 0.9
  F_PWR_SIGNAL.Cu w0.089: D269.1 D270.3
Net-(D269-Pad6): length 0.9
  F_PWR_SIGNAL.Cu w0.089: D269.6 D270.4
Net-(D270-Pad1): length 0.9
  F_PWR_SIGNAL.Cu w0.089: D270.1 D271.3
Net-(D270-Pad6): length 0.9
  F_PWR_SIGNAL.Cu w0.089: D270.6 D271.4
Net-(D271-Pad1): length 0.9
  F_PWR_SIGNAL.Cu w0.089: D271.1 D272.3
Net-(D271-Pad6): length 0.9
  F_PWR_SIGNAL.Cu w0.089: D271.6 D272.4
Net-(D272-Pad1): length 0.9
  F_PWR_SIGNAL.Cu w0.089: D272.1 D273.3
Net-(D272-Pad6): length 0.9
  F_PWR_SIGNAL.Cu w0.089: D272.6 D273.4
Net-(D273-Pad1): length 0.9
  F_PWR_SIGNAL.Cu w0.089: D273.1 D274.3
Net-(D273-Pad6): length 0.9
  F_PWR_SIGNAL.Cu w0.089: D273.6 D274.4
Net-(D274-Pad1): length 0.9
  F_PWR_SIGNAL.Cu w0.089: D274.1 D275.3
Net-(D274-Pad6): length 0.9
  F_PWR_SIGNAL.Cu w0.089: D274.6 D275.4
Net-(D275-Pad1): length 0.9
  F_PWR_SIGNAL.Cu w0.089: D275.1 D276.3
Net-(D275-Pad6): length 0.9
  F_PWR_SIGNAL.Cu w0.089: D275.6 D276.4
Net-(D276-Pad1): length 0.9
  F_PWR_SIGNAL.Cu w0.089: D276.1 D277.3
Net-(D276-Pad6): length 0.9
  F_PWR_SIGNAL.Cu w0.089: D276.6 D277.4
Net-(D277-Pad1): length 0.9
  F_PWR_SIGNAL.Cu w0.089: D277.1 D278.3
Net-(D277-Pad6): length 0.9
  F_PWR_SIGNAL.Cu w0.089: D277.6 D278.4
Net-(D278-Pad1): length 0.9
  F_PWR_SIGNAL.Cu w0.089: D278.1 D279.3
Net-(D278-Pad6): length 0.9
  F_PWR_SIGNAL.Cu w0.089: D278.6 D279.4
Net-(D279-Pad1): length 0.9
  F_PWR_SIGNAL.Cu w0.089: D279.1 D280.3
Net-(D279-Pad6): length 0.9
  F_PWR_SIGNAL.Cu w0.089: D279.6 D280.4
Net-(D280-Pad1): length 0.9
  F_PWR_SIGNAL.Cu w0.089: D280.1 D281.3
Net-(D280-Pad6): length 0.9
  F_PWR_SIGNAL.Cu w0.089: D280.6 D281.4
Net-(D281-Pad1): length 0.9
  F_PWR_SIGNAL.Cu w0.089: D281.1 D282.3
Net-(D281-Pad6): length 0.9
  F_PWR_SIGNAL.Cu w0.089: D281.6 D282.4
Net-(D282-Pad1): length 0.9
  F_PWR_SIGNAL.Cu w0.089: D282.1 D283.3
Net-(D282-Pad6): length 0.9
  F_PWR_SIGNAL.Cu w0.089: D282.6 D283.4
Net-(D283-Pad1): length 0.9
  F_PWR_SIGNAL.Cu w0.089: D283.1 D284.3
Net-(D283-Pad6): length 0.9
  F_PWR_SIGNAL.Cu w0.089: D283.6 D284.4
Net-(D284-Pad1): length 0.9
  F_PWR_SIGNAL.Cu w0.089: D284.1 D285.3
Net-(D284-Pad6): length 0.9
  F_PWR_SIGNAL.Cu w0.089: D284.6 D285.4
Net-(D285-Pad1): length 0.9
  F_PWR_SIGNAL.Cu w0.089: D285.1 D286.3
Net-(D285-Pad6): length 0.9
  F_PWR_SIGNAL.Cu w0.089: D285.6 D286.4
Net-(D286-Pad1): length 0.9
  F_PWR_SIGNAL.Cu w0.089: D286.1 D287.3
Net-(D286-Pad6): length 0.9
  F_PWR_SIGNAL.Cu w0.089: D286.6 D287.4
Net-(D287-Pad1): length 0.9
  F_PWR_SIGNAL.Cu w0.089: D287.1 D288.3
Net-(D287-Pad6): length 0.9
  F_PWR_SIGNAL.Cu w0.089: D287.6 D288.4
Net-(D288-Pad1): length 0.9
  F_PWR_SIGNAL.Cu w0.089: D288.1 D289.3
Net-(D288-Pad6): length 0.9
  F_PWR_SIGNAL.Cu w0.089: D288.6 D289.4
Net-(D289-Pad1): length 0.9
  F_PWR_SIGNAL.Cu w0.089: D289.1 D290.3
Net-(D289-Pad6): length 0.9
  F_PWR_SIGNAL.Cu w0.089: D289.6 D290.4
Net-(D290-Pad1): length 0.9
  F_PWR_SIGNAL.Cu w0.089: D290.1 D291.3
Net-(D290-Pad6): length 0.9
  F_PWR_SIGNAL.Cu w0.089: D290.6 D291.4
Net-(D291-Pad1): length 0.9
  F_PWR_SIGNAL.Cu w0.089: D291.1 D292.3
Net-(D291-Pad6): length 0.9
  F_PWR_SIGNAL.Cu w0.089: D291.6 D292.4
Net-(D292-Pad1): length 0.9
  F_PWR_SIGNAL.Cu w0.089: D292.1 D293.3
Net-(D292-Pad6): length 0.9
  F_PWR_SIGNAL.Cu w0.089: D292.6 D293.4
Net-(D293-Pad1): length 0.9
  F_PWR_SIGNAL.Cu w0.089: D293.1 D294.3
Net-(D293-Pad6): length 0.9
  F_PWR_SIGNAL.Cu w0.089: D293.6 D294.4
Net-(D294-Pad1): length 0.9
  F_PWR_SIGNAL.Cu w0.089: D294.1 D295.3
Net-(D294-Pad6): length 0.9
  F_PWR_SIGNAL.Cu w0.089: D294.6 D295.4
Net-(D295-Pad1): length 0.9
  F_PWR_SIGNAL.Cu w0.089: D295.1 D296.3
Net-(D295-Pad6): length 0.9
  F_PWR_SIGNAL.Cu w0.089: D295.6 D296.4
Net-(D296-Pad1): length 0.9
  F_PWR_SIGNAL.Cu w0.089: D296.1 D297.3
Net-(D296-Pad6): length 0.9
  F_PWR_SIGNAL.Cu w0.089: D296.6 D297.4
Net-(D297-Pad1): length 0.9
  F_PWR_SIGNAL.Cu w0.089: D297.1 D298.3
Net-(D297-Pad6): length 0.9
  F_PWR_SIGNAL.Cu w0.089: D297.6 D298.4
Net-(D298-Pad1): length 0.9
  F_PWR_SIGNAL.Cu w0.089: D298.1 D299.3
Net-(D298-Pad6): length 0.9
  F_PWR_SIGNAL.Cu w0.089: D298.6 D299.4
Net-(D299-Pad1): length 0.9
  F_PWR_SIGNAL.Cu w0.089: D299.1 D300.3
Net-(D299-Pad6): length 0.9
  F_PWR_SIGNAL.Cu w0.089: D299.6 D300.4
Net-(D300-Pad1): length 0.9
  F_PWR_SIGNAL.Cu w0.089: D300.1 D301.3
Net-(D300-Pad6): length 0.9
  F_PWR_SIGNAL.Cu w0.089: D300.6 D301.4
Net-(D301-Pad1): length 0.9
  F_PWR_SIGNAL.Cu w0.089: D301.1 D302.3
Net-(D301-Pad6): length 0.9
  F_PWR_SIGNAL.Cu w0.089: D301.6 D302.4
Net-(D302-Pad1): length 0.9
  F_PWR_SIGNAL.Cu w0.089: D302.1 D303.3
Net-(D302-Pad6): length 0.9
  F_PWR_SIGNAL.Cu w0.089: D302.6 D303.4
Net-(D303-Pad1): length 0.9
  F_PWR_SIGNAL.Cu w0.089: D303.1 D304.3
Net-(D303-Pad6): length 0.9
  F_PWR_SIGNAL.Cu w0.089: D303.6 D304.4
Net-(D305-Pad1): length 0.9
  F_PWR_SIGNAL.Cu w0.089: D305.1 D306.3
Net-(D305-Pad6): length 0.9
  F_PWR_SIGNAL.Cu w0.089: D305.6 D306.4
Net-(D306-Pad1): length 0.9
  F_PWR_SIGNAL.Cu w0.089: D306.1 D307.3
Net-(D306-Pad6): length 0.9
  F_PWR_SIGNAL.Cu w0.089: D306.6 D307.4
Net-(D307-Pad1): length 0.9
  F_PWR_SIGNAL.Cu w0.089: D307.1 D308.3
Net-(D307-Pad6): length 0.9
  F_PWR_SIGNAL.Cu w0.089: D307.6 D308.4
Net-(D308-Pad1): length 0.9
  F_PWR_SIGNAL.Cu w0.089: D308.1 D309.3
Net-(D308-Pad6): length 0.9
  F_PWR_SIGNAL.Cu w0.089: D308.6 D309.4
Net-(D309-Pad1): length 0.9
  F_PWR_SIGNAL.Cu w0.089: D309.1 D310.3
Net-(D309-Pad6): length 0.9
  F_PWR_SIGNAL.Cu w0.089: D309.6 D310.4
Net-(D310-Pad1): length 0.9
  F_PWR_SIGNAL.Cu w0.089: D310.1 D311.3
Net-(D310-Pad6): length 0.9
  F_PWR_SIGNAL.Cu w0.089: D310.6 D311.4
Net-(D311-Pad1): length 0.9
  F_PWR_SIGNAL.Cu w0.089: D311.1 D312.3
Net-(D311-Pad6): length 0.9
  F_PWR_SIGNAL.Cu w0.089: D311.6 D312.4
Net-(D312-Pad1): length 0.9
  F_PWR_SIGNAL.Cu w0.089: D312.1 D313.3
Net-(D312-Pad6): length 0.9
  F_PWR_SIGNAL.Cu w0.089: D312.6 D313.4
Net-(D313-Pad1): length 0.9
  F_PWR_SIGNAL.Cu w0.089: D313.1 D314.3
Net-(D313-Pad6): length 0.9
  F_PWR_SIGNAL.Cu w0.089: D313.6 D314.4
Net-(D314-Pad1): length 0.9
  F_PWR_SIGNAL.Cu w0.089: D314.1 D315.3
Net-(D314-Pad6): length 0.9
  F_PWR_SIGNAL.Cu w0.089: D314.6 D315.4
